# Altium PCB SpeakerEngine.PcbDoc (part 1 of 2)
Units mil, origin at the board's own origin, x right, y up, seen from the top; angles counter-clockwise.
Board outline 2955 x 2955 mil, 2 copper layers (Top Layer, Bottom Layer); 97 components, 71 nets, 369 pads, 247 vias.
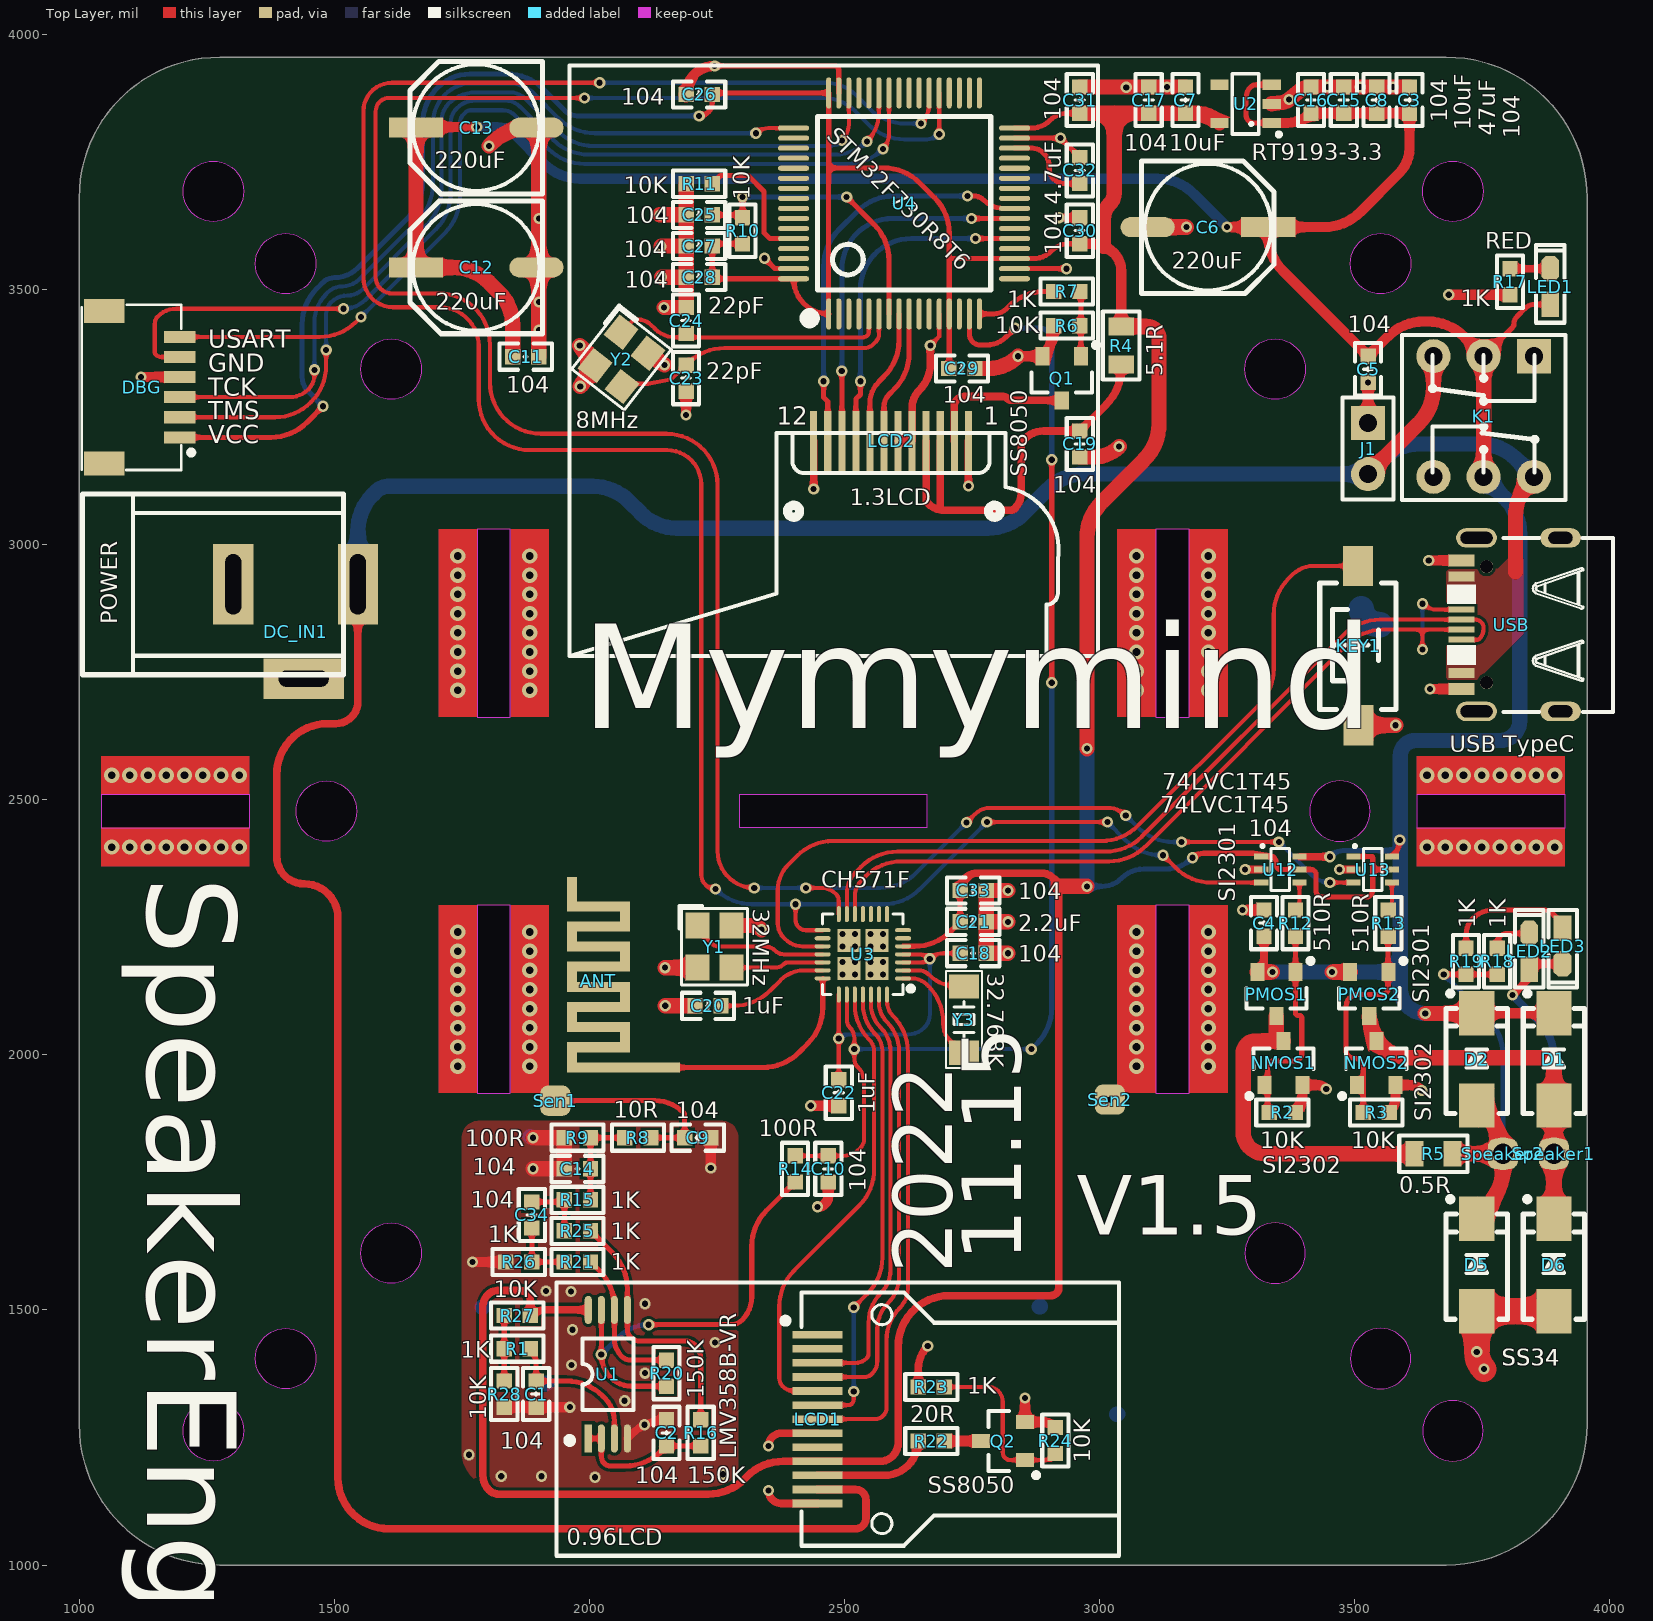
[diagram p0: Top Layer view]
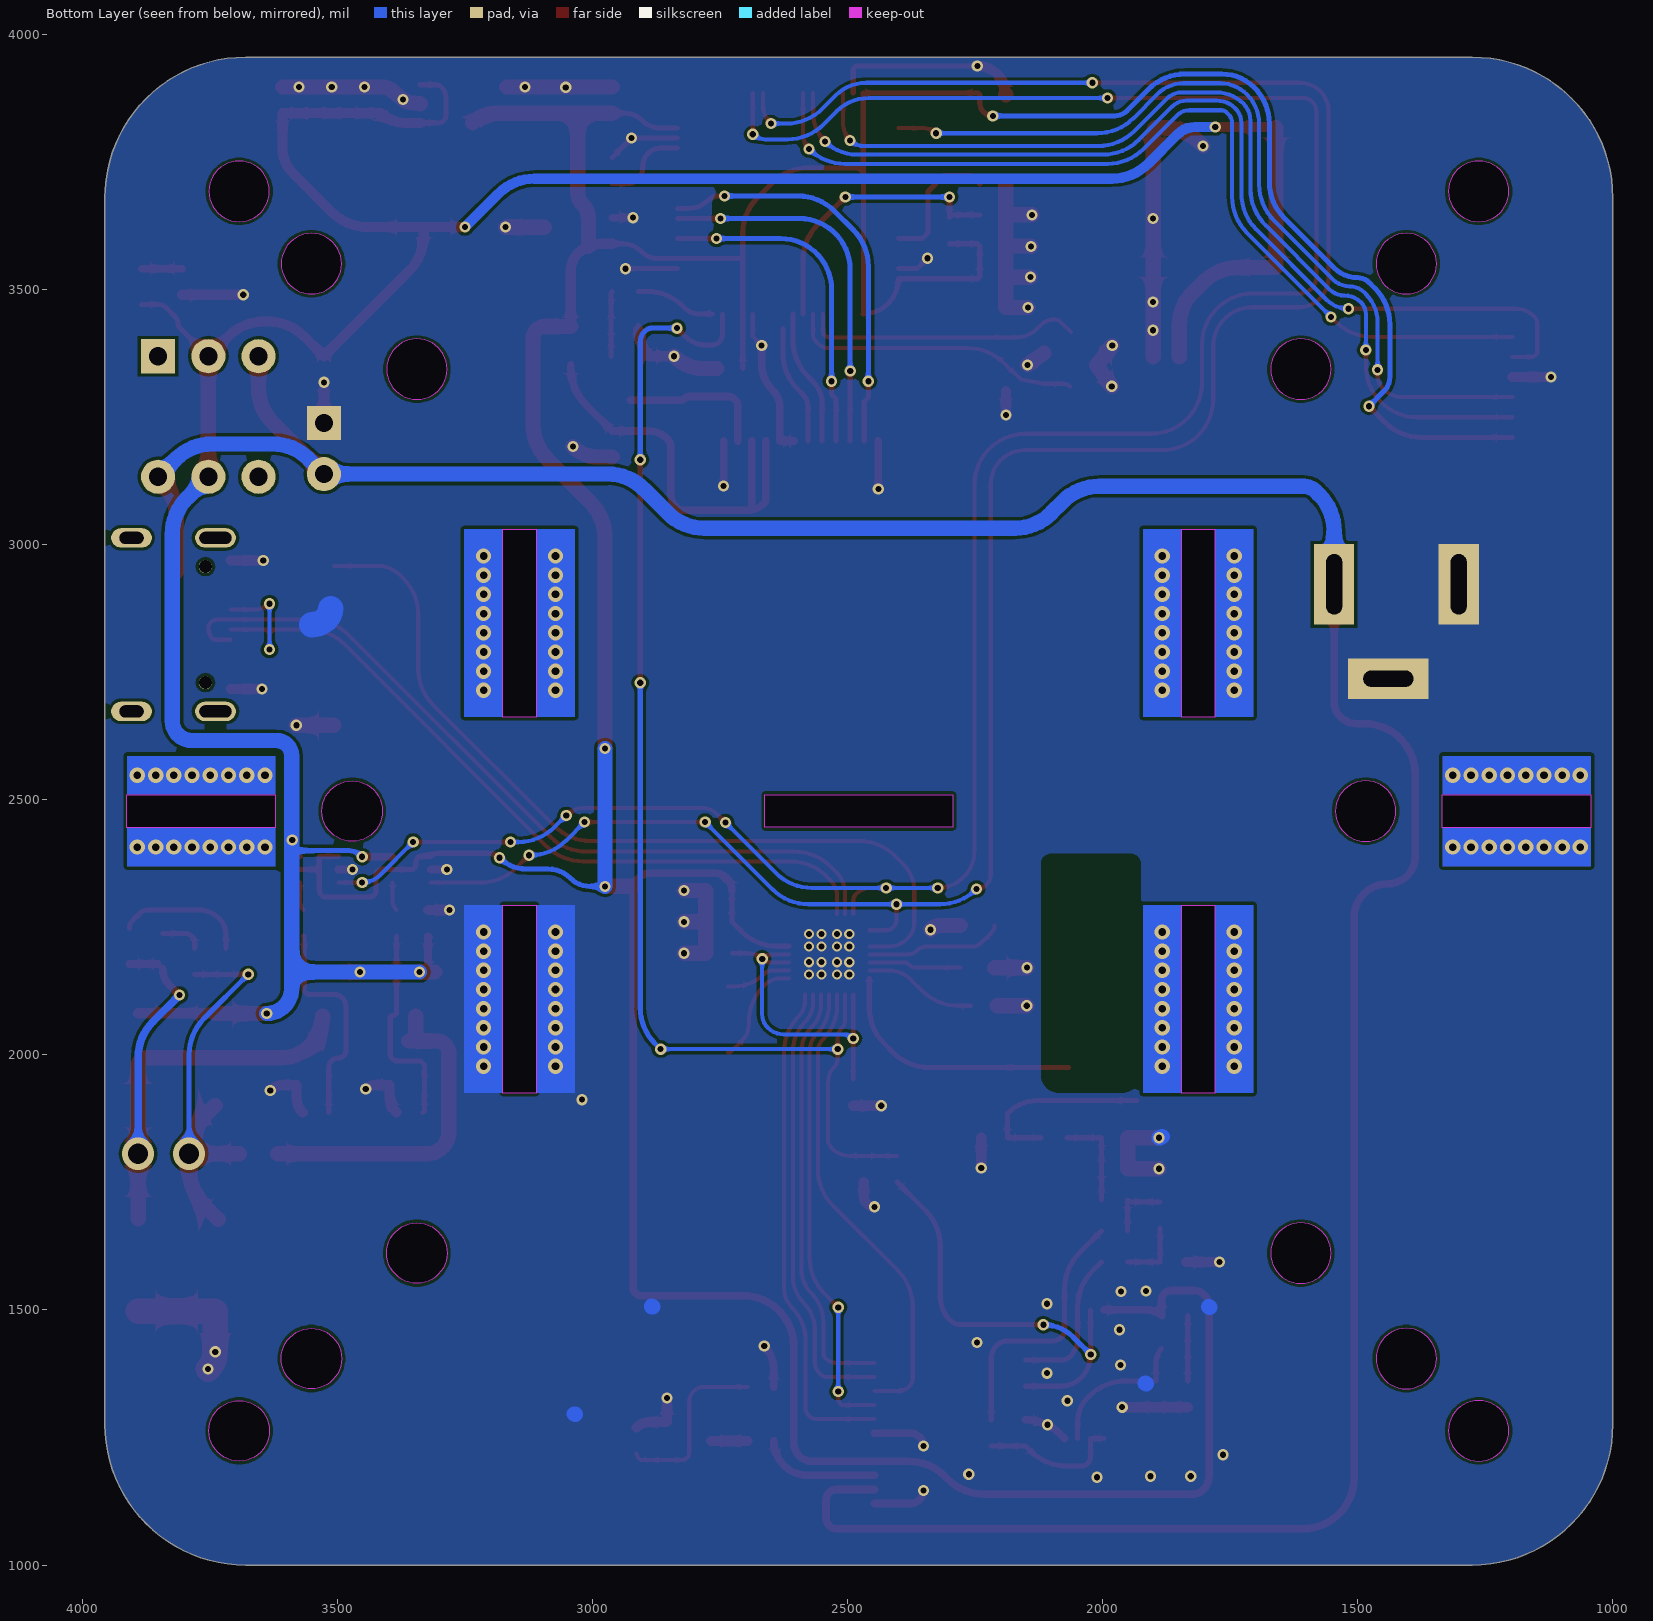
[diagram p1: Bottom Layer view, seen from below]

## Layer stack, top to bottom
Top Solder: solder mask 0.4, Solder Resist, Dk 3.5
Top Layer: signal copper 1.4
Dielectric 1: dielectric 12.6, FR-4, Dk 4.8
Bottom Layer: signal copper 1.4
Bottom Solder: solder mask 0.4, Solder Resist, Dk 3.5

## Board outline
1275.59,1000 cw(c1275.59,1275.59) 1000,1275.59 1000,3679.41 cw(c1275.59,3679.41) 1275.59,3955 3679.41,3955 cw(c3679.41,3679.41) 3955,3679.41 3955,1275.59 cw(c3679.41,1275.59) 3679.41,1000
cut-out: 1404.67,3491.08 cw(c1404.67,3550.33) 1345.41,3550.33 cw(c1404.67,3550.33) 1404.67,3609.59 cw(c1404.67,3550.33) 1463.92,3550.33 cw(c1404.67,3550.33)
cut-out: 3550.33,3491.08 cw(c3550.33,3550.33) 3491.08,3550.33 cw(c3550.33,3550.33) 3550.33,3609.59 cw(c3550.33,3550.33) 3609.59,3550.33 cw(c3550.33,3550.33)
cut-out: 3491.08,1404.67 ccw(c3550.33,1404.67) 3550.33,1345.41 ccw(c3550.33,1404.67) 3609.59,1404.67 ccw(c3550.33,1404.67) 3550.33,1463.92 ccw(c3550.33,1404.67)
cut-out: 1404.67,1345.41 cw(c1404.67,1404.67) 1345.41,1404.67 cw(c1404.67,1404.67) 1404.67,1463.92 cw(c1404.67,1404.67) 1463.92,1404.67 cw(c1404.67,1404.67)
cut-out: 1262.93,1203.68 cw(c1262.93,1262.93) 1203.68,1262.93 cw(c1262.93,1262.93) 1262.93,1322.19 cw(c1262.93,1262.93) 1322.19,1262.93 cw(c1262.93,1262.93)
cut-out: 1611.36,1552.11 cw(c1611.36,1611.36) 1552.11,1611.36 cw(c1611.36,1611.36) 1611.36,1670.61 cw(c1611.36,1611.36) 1670.61,1611.36 cw(c1611.36,1611.36)
cut-out: 3632.81,1262.93 ccw(c3692.07,1262.93) 3692.07,1203.68 ccw(c3692.07,1262.93) 3751.32,1262.93 ccw(c3692.07,1262.93) 3692.07,1322.19 ccw(c3692.07,1262.93)
cut-out: 3284.39,1611.36 ccw(c3343.64,1611.36) 3343.64,1552.11 ccw(c3343.64,1611.36) 3402.89,1611.36 ccw(c3343.64,1611.36) 3343.64,1670.61 ccw(c3343.64,1611.36)
cut-out: 3411.36,2477.5 ccw(c3470.61,2477.5) 3470.61,2418.25 ccw(c3470.61,2477.5) 3529.86,2477.5 ccw(c3470.61,2477.5) 3470.61,2536.75 ccw(c3470.61,2477.5)
cut-out: 1484.39,2418.25 cw(c1484.39,2477.5) 1425.14,2477.5 cw(c1484.39,2477.5) 1484.39,2536.75 cw(c1484.39,2477.5) 1543.64,2477.5 cw(c1484.39,2477.5)
cut-out: 3343.64,3284.39 cw(c3343.64,3343.64) 3284.39,3343.64 cw(c3343.64,3343.64) 3343.64,3402.89 cw(c3343.64,3343.64) 3402.89,3343.64 cw(c3343.64,3343.64)
cut-out: 3692.07,3632.81 cw(c3692.07,3692.07) 3632.81,3692.07 cw(c3692.07,3692.07) 3692.07,3751.32 cw(c3692.07,3692.07) 3751.32,3692.07 cw(c3692.07,3692.07)
cut-out: 1611.36,3284.39 cw(c1611.36,3343.64) 1552.11,3343.64 cw(c1611.36,3343.64) 1611.36,3402.89 cw(c1611.36,3343.64) 1670.61,3343.64 cw(c1611.36,3343.64)
cut-out: 1262.93,3632.81 cw(c1262.93,3692.07) 1203.68,3692.07 cw(c1262.93,3692.07) 1262.93,3751.32 cw(c1262.93,3692.07) 1322.19,3692.07 cw(c1262.93,3692.07)
cut-out: 2293.33,2445.5 2661.67,2445.5 2661.67,2509.5 2293.33,2509.5
cut-out: 1043,2445 1334,2445 1334,2510 1043,2510
cut-out: 3621,2445 3912,2445 3912,2510 3621,2510
cut-out: 1780,1925 1845,1925 1845,2293.33 1780,2293.33
cut-out: 3110,1925 3175,1925 3175,2293.33 3110,2293.33
cut-out: 3110,2661.67 3175,2661.67 3175,3030 3110,3030
cut-out: 1780,2661.67 1845,2661.67 1845,3030 1780,3030

## Design rules (kind name [scope] priority, off if disabled: settings)
Clearance [All] p1: gap=6 ignorepadtopadclearanceinfootprint=FALSE
HoleSize [All] p1: absolutevalues=TRUE maxlimit=500 minlimit=1 maxpercent=80.000 minpercent=20.000
MinimumSolderMaskSliver [All] p1: minsoldermaskwidth=1
PlaneConnect [All] p1: planeconnectstyle=Direct reliefexpansion=20 reliefentries=4 reliefconductorwidth=10 reliefairgap=10
PolygonConnect [All] p1: connectstyle=Direct reliefconductorwidth=10 reliefentries=4 polygonreliefangle="90 Angle" airgapwidth=10
RoutingVias [All] p1: holewidth=12 width=22 viastyle="Through Hole" minholewidth=12 minwidth=22 maxholewidth=200 maxwidth=500
SilkToSilkClearance [All] p1: silktosilkclearance=1
SilkToSolderMaskClearance [IsPad] p1: minsilkscreentomaskgap=1 clearancetoexposedcopper=TRUE
SolderMaskExpansion [All] p1: expansion=4 istentingtop=FALSE
Width [All] p1: maxlimit=200 minlimit=6 preferedwidth=10 minimp=50.000000 maximp=50.000000 favimp=50.000000
25 further rules are at their usual default settings.

## Classes and differential pairs
component class MainMCU: C19 C23 C24 C25 C26 C27 C28 C29 C30 C31 C32 DBG LCD2 Q1 R4 R6 R7 R10 R11 U4 Y2
component class SpeakerEngine: ANT C1 C2 C3 C4 C5 C6 C7 C8 C9 C10 C11 C12 C13 C14 C15 C16 C17 C18 C20 C21 C22 C33 C34 D1 D2 D5 D6 DC_IN1 J1 K1 KEY1 LCD1 LED1 LED2 LED3 NMOS1 NMOS2 PMOS1 PMOS2 Q2 R1 R2 R3 R5 R8 R9 R12 R13 R14 R15 R16 R17 R18 R19 R20 R21 R22 R23 R24 R25 R26 R27 R28 Sen1 Sen2 Speaker1 Speaker2 U1 U2 U3 U12 U13 USB Y1 Y3

## Components (designator, comment, footprint, x,y, rotation, side; value= is the part's Value field where it differs from the comment)
ANT "2.4G" 2.4GANTS8 2177,1974 r0 top
C1 "104" "C 0603_L" 1895.59,1335 r90 top
C2 "104" "C 0603_L" 2151,1258.99 r270 top
C3 "104" "C 0603_L" 3607,3870.99 r270 top
C4 "104" "C 0603_L" 3322,2258 r270 top
C5 "104" "C 0603_L" 3526,3343.41 r90 top
C6 "220uF" "CM D(6.3*5.4)" 3212,3622 r0 top
C7 "10uF" "C 0603_L" 3168,3871 r90 top
C8 "47uF" "C 0603_L" 3542.66,3871 r90 top
C9 "104" "C 0603_L" 2212.17,1837.41 r180 top
C10 "104" "C 0603_L" 2468,1776.41 r90 top
C11 "104" "C 0603_L" 1875,3368 r180 top
C12 "220uF" "CM D(6.3*5.4)" 1778,3543 r180 top
C13 "220uF" "CM D(6.3*5.4)" 1778,3817 r180 top
C14 "104" "C 0603_L" 1976.42,1776.56 r0 top
C15 "10uF" "C 0603_L" 3478.33,3871 r90 top
C16 "104" "C 0603_L" 3414,3871 r90 top
C17 "104" "C 0603_L" 3096,3871 r90 top
C18 "104" "C 0603_L" 2752,2199 r0 top
C19 "104" "C 0603_L" 2961,3197 r270 top
C20 "1uF" "C 0603_L" 2232.24,2096 r180 top
C21 "2.2uF" "C 0603_L" 2752,2260.5 r0 top
C22 "1uF" "C 0603_L" 2488.59,1925.59 r270 top
C23 "22pF" "C 0603_L" 2189.41,3326 r270 top
C24 "22pF" "C 0603_L" 2189.4,3439 r90 top
C25 "104" "C 0603_L" 2215,3646 r0 top
C26 "104" "C 0603_L" 2214.99,3882 r180 top
C27 "104" "C 0603_L" 2214.99,3585 r180 top
C28 "104" "C 0603_L" 2214.99,3524 r180 top
C29 "104" "C 0603_L" 2730,3345 r0 top
C30 "104" "C 0603_L" 2961,3615 r90 top
C31 "104" "C 0603_L" 2961,3871 r90 top
C32 "4.7uF" "C 0603_L" 2961.01,3733 r270 top
C33 "104" "C 0603_L" 2752,2322 r0 top
C34 "104" "C 0603_L" 1887,1686 r90 top
D1 "SS34" SMA 3890,1991 r90 top
D2 "SS34" SMA 3739,1991 r90 top
D5 "SS34" SMA 3739,1588 r90 top
D6 "SS34" SMA 3890,1588 r90 top
DBG "STM_SWD" "SH1.0 S-W-6P" 1116,3308 r270 top
DC_IN1 "POWER" DC-005 1302,2922 r180 top
J1 "Header 1X2" HDR2.54-LI-2P 3526,3188 r270 top
K1 "KET 7X7" "KFT DIP-8X8" 3752.43,3250.89 r180 top
KEY1 "KEY-SMD" "TSW SMD-3*6*2.5" 3506,2803 r90 top
LCD1 "0.96LCD" "LCD 0.96 13P" 2447,1285.88 r0 top locked
LCD2 "1.3LCD" TFT-N133-2424THBIG01 1961.06,2781.74 r0 top locked
LED1 "RED" "LED 0603B" 3883.28,3505.59 r90 top
LED2 "RED" "LED 0603B" 3842,2202.99 r90 top
LED3 "RED" "LED 0603B" 3907,2213 r270 top
NMOS1 "SI2302" SOT23-3L 3360,1984 r0 top
NMOS2 "SI2302" SOT23-3L 3542,1984 r0 top
PMOS1 "SI2301" SOT23-3L 3346.23,2119 r180 top
PMOS2 "SI2301" SOT23-3L 3528.23,2119 r180 top
Q1 "SS8050" SOT23-3L 2925.6,3325.69 r180 top
Q2 "SS8050" SOT23-3L 2810.31,1243 r90 top
R1 "1K" "R 0603_L" 1858.58,1424 r180 top
R2 "10K" "R 0603_L" 3358,1887 r0 top
R3 "10K" "R 0603_L" 3542,1887 r0 top
R4 "5.1R" "R 0805_L" 3042,3390 r270 top
R5 "0.5R" "R 0805_L" 3654,1806 r180 top
R6 "10K" "R 0603_L" 2935.41,3429 r180 top
R7 "1K" "R 0603_L" 2935.42,3496 r0 top
R8 "10R" "R 0603_L" 2095,1837.42 r0 top
R9 "100R" "R 0603_L" 1976.41,1837.41 r180 top
R10 "10K" "R 0603_L" 2300,3615 r270 top
R11 "10K" "R 0603_L" 2215,3707 r0 top
R12 "510R" "R 0603_L" 3383.63,2258 r270 top
R13 "510R" "R 0603_L" 3565.63,2258 r270 top
R14 "100R" "R 0603_L" 2403,1776.41 r270 top
R15 "1K" "R 0603_L" 1976.41,1715.7 r180 top
R16 "150K" "R 0603_L" 2218,1259 r90 top
R17 "1K" "R 0603_L" 3804,3515 r270 top
R18 "1K" "R 0603_L" 3779,2183.18 r90 top
R19 "1K" "R 0603_L" 3718,2183.18 r90 top
R20 "150K" "R 0603_L" 2151,1376 r270 top
R21 "1K" "R 0603_L" 1976.42,1594 r0 top
R22 "20R" "R 0603_L" 2670,1243 r180 top
R23 "1K" "R 0603_L" 2670.01,1349 r0 top
R24 "10K" "R 0603_L" 2913,1244 r90 top
R25 "1K" "R 0603_L" 1976.42,1654.85 r0 top
R26 "1K" "R 0603_L" 1861.42,1594 r0 top
R27 "10K" "R 0603_L" 1858.58,1489 r180 top
R28 "10K" "R 0603_L" 1833,1334.99 r270 top
Sen1 "SPK+" TP-1.5#1 1933,1910 r0 top
Sen2 "SPK+" TP-1.5#1 3020,1912 r0 top
Speaker1 "SPK+" TP-1.5#2 3859,1806 r90 top
Speaker2 "SPK+" TP-1.5#3 3720,1806 r90 top
U1 "LMV358B-VR" SSOP8_N 2036,1374 r90 top
U2 "RT9193-3.3" SOT23-5L 3286,3863.62 r90 top
U3 "CH571F" QFN28_4X4 2535.83,2196.83 r90 top
U4 "STM32F730R8T6" "LQFP64 10x10_L" 2616.52,3668.48 r0 top
U12 "74LVC1T45" SOT363-6L 3354,2363 r0 top
U13 "74LVC1T45" SOT363-6L 3535,2363 r0 top
USB "USB TypeC" "USB Type-C" 3806.05,2842.92 r90 top
Y1 "32MHz" "OSC 3225-4P" 2245,2212 r270 top
Y2 "8MHz" "OSC 3225-4P" 2063,3363 r232 top
Y3 "32.768K" "OSC 3215-2P" 2734,2069 r270 top

## Footprints (in the part's own frame and the unit in brackets; to place one, negate y for a bottom-side part, rotate by r counter-clockwise, add the part's x,y. Pads: shape width x height; smd on the part's side, far side on the other; paste and mask are expansions set on the pad)
2.4GANTS8 [mm]
  rect 5.58x0.5 smd: 1(-2.788,0.028)
  rect 0.5x1.702 smd: 7(-5.369,8.647)
  rect 3.15x0.5 smd: 8(-4.043,8.046) 9(-4.05,7.045) 10(-4.05,6.046) 11(-4.05,5.048) 12(-4.05,4.041) 13(-4.05,3.041) 14(-4.048,2.038) 15(-4.05,1.036)
  rect 0.5x1.5 smd: 16(-2.725,1.535) 17(-2.725,3.541) 18(-2.725,5.548) 19(-2.72,7.545) 20(-5.375,6.546) 21(-5.375,4.546) 22(-5.373,2.541) 23(-5.375,0.528)
"C 0603_L" [mil] "无极性贴片电容"
  rect 30x30 smd: 1(-25.59,0) 2(25.59,0)
  silkscreen extent -51,-26 51,26, body extent -31,-16 31,16, height 32
"CM D(6.3*5.4)" [mm] "贴片电解电容，直径6.3mm，高5.4mm"
  rect 2.7x1 smd: 1(3,0)
  oval 2.7x1 smd: 2(-3,0)
  silkscreen extent -3.3,-3.3 3.3,3.3, body extent -3.5,-3.3 3.5,3.3, height 5.4
DC-005 [mm] "5.5*2.1mm，DC30V,2.5A"
  rect 2x4 hole 0.8 slot 3 at 90 deg: 1(-6.2,0) 2(0,0)
  rect 4x2 hole 0.8 slot 2.5 at 0 deg: 3(-3.5,4.7)
  silkscreen extent -5.48,-4.5 7.5,4.5, body extent -6.55,-4.5 7.5,4.8, height 11.2
HDR2.54-LI-2P [mm] "排针，2脚"
  rect 1.7x1.7 hole 0.9: 1(-1.27,0)
  round 1.7 hole 0.9: 2(1.27,0)
  silkscreen extent -2.54,-1.27 2.54,1.27, body extent -2.54,-1.27 2.54,1.27, height 8.5
"KFT DIP-8X8" [mm] "自锁开关，规格：8*8mm"
  rect 1.7x1.7 hole 0.9: 1(-2.5,-3)
  round 1.7 hole 0.9: 2(0,-3) 3(2.5,-3) 4(2.5,3) 5(0,3) 6(-2.5,3)
  silkscreen extent -4.06,-4.06 4.06,4.15, body extent -3.95,-3.95 4.05,4.05, height 13.1
"LCD 0.96 13P" [mm]
  rect 2.5x0.38 smd: 1(0,4.2) 2(0,3.5) 3(0,2.8) 4(0,2.1) 5(0,1.4) 6(0,0.7) 7(0,0) 8(0,-0.7) 9(0,-1.4) 10(0,-2.1) 11(0,-2.8) 12(0,-3.5) 13(0,-4.2)
  silkscreen extent -13,-6.8 15,6.8
"LED 0603B" [mil] "蓝色0603LED"
  rect 50x35 smd: 1(-35,0.26)
  oct 50x35 smd: 2(35,0.26)
  silkscreen extent -71,-28 81,28, body extent -31,-16 32,16, height 24
"LQFP64 10x10_L" [mm] "64脚，体宽10x10mm，脚距0.5mm"
  oval 0.25x1.55 smd: 1(-3.75,-5.5) 2(-3.25,-5.5) 3(-2.75,-5.5) 4(-2.25,-5.5) 5(-1.75,-5.5) 6(-1.25,-5.5) 7(-0.75,-5.5) 8(-0.25,-5.5) 9(0.25,-5.5) 10(0.75,-5.5) 11(1.25,-5.5) 12(1.75,-5.5) 13(2.25,-5.5) 14(2.75,-5.5) 15(3.25,-5.5) 16(3.75,-5.5) 33(3.75,5.5) 34(3.25,5.5) 35(2.75,5.5) 36(2.25,5.5) 37(1.75,5.5) 38(1.25,5.5) 39(0.75,5.5) 40(0.25,5.5) 41(-0.25,5.5) 42(-0.75,5.5) 43(-1.25,5.5) 44(-1.75,5.5) 45(-2.25,5.5) 46(-2.75,5.5) 47(-3.25,5.5) 48(-3.75,5.5)
  oval 1.55x0.25 smd: 17(5.5,-3.75) 18(5.5,-3.25) 19(5.5,-2.75) 20(5.5,-2.25) 21(5.5,-1.75) 22(5.5,-1.25) 23(5.5,-0.75) 24(5.5,-0.25) 25(5.5,0.25) 26(5.5,0.75) 27(5.5,1.25) 28(5.5,1.75) 29(5.5,2.25) 30(5.5,2.75) 31(5.5,3.25) 32(5.5,3.75) 49(-5.499,3.75) 50(-5.499,3.25) 51(-5.499,2.75) 52(-5.499,2.25) 53(-5.499,1.75) 54(-5.499,1.25) 55(-5.499,0.75) 56(-5.499,0.25) 57(-5.499,-0.25) 58(-5.499,-0.75) 59(-5.499,-1.25) 60(-5.499,-1.75) 61(-5.499,-2.25) 62(-5.499,-2.75) 63(-5.499,-3.25) 64(-5.499,-3.75)
  silkscreen extent -4.95,-5.96 4.32,4.32, body extent -6,-6 6,6, height 1.45
"OSC 3215-2P" [mm] "3.2*1.5*0.6mm(长宽高)"
  rect 1.2x1.5 smd: 1(-1.65,0) 2(1.65,0)
  silkscreen extent -2.41,-0.89 2.41,0.89, body extent -1.6,-0.75 1.6,0.75, height 0.61
"OSC 3225-4P" [mm] "3.2*2.5*0.7mm(长宽高)"
  rect 1.3x1.2 smd: 1(-1.05,-0.85) 2(1.05,-0.85) 3(1.05,0.85) 4(-1.05,0.85)
  silkscreen extent -2.03,-1.75 1.91,1.65, body extent -1.6,-1.25 1.6,1.25, height 0.7
QFN28_4X4 [mm]
  rect 1.143x1.143 smd mask+0.051: 0(-0.698,-0.699) 0(-0.698,0.699) 0(0.699,-0.699) 0(0.699,0.699)
  oval 0.2x0.8 smd: 1(-1.2,-2) 2(-0.8,-2) 3(-0.4,-2) 4(0,-2) 5(0.4,-2) 6(0.8,-2) 7(1.2,-2) 15(1.2,2) 16(0.8,2) 17(0.4,2) 18(0,2) 19(-0.4,2) 20(-0.8,2) 21(-1.2,2)
  oval 0.8x0.2 smd: 8(2,-1.2) 9(2,-0.8) 10(2,-0.4) 11(2,0) 12(2,0.4) 13(2,0.8) 14(2,1.2) 22(-2,1.2) 23(-2,0.8) 24(-2,0.4) 25(-2,0) 26(-2,-0.4) 27(-2,-0.8) 28(-2,-1.2)
  silkscreen extent -2,-2.51 2,2
"R 0603_L" [mil] "1/10W贴片电阻"
  rect 30x30 smd: 1(-25.59,0) 2(25.59,0)
  silkscreen extent -51,-26 51,26, body extent -31,-16 32,16, height 16
"R 0805_L" [mil] "1/8W贴片电阻"
  rect 35x50 smd: 1(-37.4,0) 2(37.4,0)
  silkscreen extent -67,-36 67,36, body extent -39,-25 39,25, height 20
"SH1.0 S-W-6P" [mm]
  rect 1.2x2 smd: 0(-3.8,-1.7) 0(3.8,-1.7)
  rect 0.6x1.55 smd: 1(2.489,2.057) 2(1.489,2.057) 3(0.489,2.057) 4(-0.511,2.057) 5(-1.511,2.057) 6(-2.511,2.057)
  silkscreen extent -4.11,-2.83 4.11,2.76, body extent -3.99,-2.48 4.01,2.47, height 2.9
SMA [mm] "4.5x2.6*2.2mm（长宽高，不包括引脚）"
  rect 2.2x1.75 smd: 1(-2.3,0) 2(2.3,0)
  silkscreen extent -2.7,-1.52 3.4,1.52, body extent -2.53,-1.3 2.58,1.3, height 2.15
SOT23-3L [mm] "3x1.3x1mm(长宽高)"
  rect 0.7x0.9 smd: 1(-0.95,-1.1) 2(0.95,-1.1) 3(0,1.1)
  silkscreen extent -1.82,-1.78 1.5,0.71, body extent -1.5,-1.19 1.5,1.21, height 1.05
SOT23-5L [mm] "3x1.6x1.1mm(长宽高)"
  rect 0.5x0.9 smd: 1(-0.95,-1.3) 2(0,-1.3) 3(0.95,-1.3) 4(0.95,1.3) 5(-0.95,1.3)
  silkscreen extent -1.6,-1.73 1.5,0.66, body extent -1.5,-1.4 1.5,1.4, height 1.15
SOT363-6L [mm]
  rect 0.7x0.3 smd: 1(-0.95,0.65) 2(-0.95,0) 3(-0.95,-0.65) 4(0.95,-0.65) 5(0.95,0) 6(0.95,0.65)
  silkscreen extent -0.96,-1.04 0.46,1.24, body extent -1.05,-1 1.05,1, height 1
SSOP8_N [mm] "3*6.4*1.2mm（长宽高）"
  rect 1.4x0.35 smd: 1(-3.2,0.975)
  oval 1.4x0.35 smd: 2(-3.2,0.325) 3(-3.2,-0.325) 4(-3.2,-0.975) 5(3.2,-0.975) 6(3.2,-0.325) 7(3.2,0.325) 8(3.2,0.975)
  silkscreen extent -3.43,-1.27 1.78,2.03, body extent -3.2,-1.75 3.2,1.75, height 1.25
TFT-N133-2424THBIG01 [mm] "TFT LCD 240*240"
  rect 0.35x3 smd: 1(19.85,10.7) 2(19.15,10.7) 3(18.45,10.7) 4(17.75,10.7) 5(17.05,10.7) 6(16.35,10.7) 7(15.65,10.7) 8(14.95,10.7) 9(14.25,10.7) 10(13.55,10.7) 11(12.85,10.7) 12(12.15,10.7)
  silkscreen extent 0,0 26.3,29.4, body extent -0.02,0 26.33,29.37, height 2.1
TP-1.5#1 [mm]
  rrect50% 1.5x1.5 smd: 1(0,0)
TP-1.5#2 [mm]
  rrect50% 1.5x1.5 smd: 1(0,-0.787)
TP-1.5#3 [mm]
  rrect50% 1.5x1.5 smd: 1(0,-1.778)
"TSW SMD-3*6*2.5" [mm] "3*6*2.5mm"
  rect 2x1.5 smd: 1(-3.996,-0.02) 2(3.937,0)
  silkscreen extent -3.21,-1.9 3.09,1.9, body extent -4,-1.88 4,1.62, height 2.59
"USB Type-C" [mm] "USB Type-C 12P/16P"
  rect 0.6x1.3 smd mask+0.064: 1(-3.2,2.462) 12(3.2,2.462)
  rect 0.508x1.3 smd mask+0.064: 2(-2.4,2.462) 11(2.4,2.462)
  rect 0.3x1.3 smd mask+0.064: 5(-0.75,2.462) 6(-0.25,2.463) 7(0.25,2.463) 8(0.75,2.462)
  oval 0.965x2.032 hole 0.6 slot 1.6 at 90 deg: SH1(-4.32,1.718) SH3(4.32,1.717)
  oval 0.965x2.032 hole 0.6 slot 1.2 at 90 deg: SH2(-4.32,-2.462) SH4(4.32,-2.462)
  round 0.65 hole 0.65 unplated mask+0: ""(-2.89,1.218) ""(2.89,1.218)
  silkscreen extent -4.34,-5.07 4.32,3.17, body extent -4.47,-5.04 4.47,2.86, height 3.2

## Part data
ANT: library part ANT, "2.4G天线"
C1 C2 C3 C4 C5 C9 C10 C11 C14 C25 C26 C27 C28 C29 C30 C31 C34: library part C
C6 C12 C13: library part C-CAP, "有极性电容", BOM名称=有极性电容, 学习资源=www.openedv.com, 版权归属=正点原子
C7 C8 C15 C16 C17 C18 C20 C21 C22 C32: library part C, "无极性贴片电容", BOM名称=无极性贴片电容
  C7 C8 C15 C16 C17: 学习资源=www.openedv.com, 版权归属=正点原子
  C32: 学习资源=www.ooocke.com, 版权归属=源创客
C19 C33: library part C, "无极性电容", BOM名称=无极性贴片电容, 学习资源=www.openedv.com, 版权归属=正点原子
C23 C24: library part CAP
D1 D2 D5 D6: library part DIODE, "整流二极管"
DBG: library part HEAD6
DC_IN1: library part P-DC, "低压电源接口", BOM名称=DC电源接口, 学习资源=www.ooocke.com, 版权归属=源创客
J1: library part "Header 2", "2P接插件", BOM名称=2P接插件, Parameter=接插件, 学习资源=www.openedv.com, 版权归属=正点原子
K1: "7*7自锁开关", BOM名称=7*7自锁开关, Parameter=按键/开关, 学习资源=www.openedv.com, 版权归属=正点原子
KEY1: library part S-KEY-SMD-324225, "KEY,SMD,324225"
LCD1: library part "LCD 0.96", "0.96 LCD 80*160", BOM名称="12864 点阵屏", Parameter=显示器件, 学习资源=www.openedv.com, 版权归属=正点原子
LCD2: library part TFTLCD-N133-2424THBIG01, "TFTLCD,240*240,SPI"
LED1 LED2 LED3: library part LED, "发光二极管"
NMOS1 NMOS2: library part NMOS, "SOT-23"
PMOS1 PMOS2: library part PMOS, "SOT-23"
Q1 Q2: library part 8050-SMD, "高频放大-NPN型", BOM名称=高频放大-NPN型, Parameter=三极管, 学习资源=www.openedv.com, 属性="40V 1.5A 1W 100MHZ", 版权归属=正点原子
R1 R2 R3 R5 R8 R9 R10 R12 R13 R14 R15 R16 R17 R18 R19 R20 R21 R25 R26 R27 R28: library part R
R4 R6 R7 R11 R22 R23 R24: library part R, "贴片电阻"
  R11: BOM名称=贴片电阻, 学习资源=www.ooocke.com, 版权归属=源创客
Sen1 Sen2 Speaker1 Speaker2: library part TEST-POINT, "测试点"
U1: library part LMV358, "低压轨至轨双运放,5.5V 1MHz 4mV", BOM名称=双路运放, Parameter=芯片, 学习资源=www.openedv.com, 版权归属=正点原子
U2: library part "LDO RT9193", "LDO", BOM名称=稳压芯片, 学习资源=www.openedv.com, 版权归属=正点原子
U3: "RISC-V MCU with BLE/USB/ADC/SPI/2*UART"
U4: "STM32 M7内核"
U12 U13: "1路双向电平转换"
USB: library part "USB 2.0 Type C", "12P TypeC 母座", Parameter=接口器件, 学习资源=www.openedv.com, 版权归属=正点原子
Y1 Y2: library part Y-3225-4P, "晶振25MHz", LatestRevisionDate=17-Jul-2002, LatestRevisionNote="Re-released for DXP Platform.", Published=8-Jun-2000, Publisher="Altium Limited"
Y3: library part Y-3215-2P, "晶振32.768K", LatestRevisionDate=17-Jul-2002, LatestRevisionNote="Re-released for DXP Platform.", Published=8-Jun-2000, Publisher="Altium Limited"

## Via types
v1: diameter 22, hole 12, Top Layer to Bottom Layer, 133 vias
v2: diameter 30, hole 15, Top Layer to Bottom Layer, 96 vias
v3: diameter 20, hole 12, Top Layer to Bottom Layer, 16 vias
v4: diameter 62.99, hole 39.37, Top Layer to Bottom Layer, 2 vias

## Nets (pads, with @x,y where several pads share a name; then routed paths per layer and width w, separated by ;. In a path a pad name is that pad's centre, name@x,y a point inside that pad or via, vN(x,y) a via of type N, cw(c..) or ccw(c..) an arc to the next point about the centre after c; other vN are vias at no path point)
ANT: ANT.1 U3.21 | length 511.2
  Top Layer w10: ANT.1@2067.25,1975.11 2339.68,1975.11 ccw(c2339.68,2075.11) 2410.4,2004.4 2427.8,2021.8 ccw(c2357.09,2092.52) 2457.09,2092.52 U3.21@2457.09,2149.59
GND: C1.1 C2.1 C3.1 C4.1 C5.1 C6.2 C7.2 C8.2 C9.1 C10.1 C11.1 C12.2 C13.2 C14.1 C15.2 C16.2 C17.2 C18.2 C19.2 C20.2 C21.2 C22.2 C23.2 C24.2 C25.1 C26.2 C27.2 C28.2 C29.2 C30.2 C31.2 C32.1 C33.2 D5.1 D6.1 DBG.4 DC_IN1.2 DC_IN1.3 J1.1 KEY1.1 LCD1.8 LCD1.13 LCD2.1 LCD2.5 LCD2.6 LCD2.12 NMOS1.2 NMOS2.2 Q1.2 Q2.2 R2.2 R3.2 R6.2 R9.2 R11.1 R17.2 R24.2 R26.1 R28.2 Sen2.1 U1.4 U2.2 U3.0 U4.12 U4.18 U4.31 U4.47 U4.63 U12.2 U13.2 USB.1 USB.12 Y1.2 Y1.4 Y2.2 Y2.4 | length 5769.1
  Top Layer w8: U4.63@2399.66,3540.88 U4.63@2400.01,3540.53 ; v1(2668,3390) 2685.43,3407.43 U4.12@2685.43,3451.96
  Top Layer w10: v1(2245.4,3938) 2480,3938 cw(c2480,3929.43) 2488.57,3929.43 U4.47@2488.57,3885 ; v1(2343,3561) 2363.12,3540.88 U4.63@2399.66,3540.88 ; U4.18@2833.05,3540.53 v1(2934.73,3540.53) ; U4.31@2833.05,3796.43 v1(2923.16,3796.43) C32.1@2961,3758.59 ; R6.2@2909.82,3421.21 R6.2@2909.82,3429
  Top Layer w15: U1.4@2074.39,1248.02 2082.65,1256.28 cw(c2151,1187.92) C2.1@2151,1284.59 ; v1(2351,1146) ccw(c2376.47,1146) 2376.47,1120.53 LCD1.13@2447,1120.53 ; v1(2351,1233) cw(c2376.32,1233) 2376.32,1258.32 LCD1.8@2447,1258.32 ; v1(2439.41,3109) LCD2.12@2439.41,3203 ; LCD2.6@2604.76,3203 LCD2.5@2632.32,3203 2632.32,3267.57 cw(c2682.43,3267.57) 2647,3303 ccw(c2596.3,3353.7) 2668,3353.7 v1(2668,3390) ; v1(2742.56,3114.89) LCD2.1@2742.56,3203 ; v1(2920,3640.59) C30.2@2961,3640.59 ; v1(3285,2363) U12.2@3316.6,2363 ; v1(3470,2363) U13.2@3497.6,2363
  Top Layer w20: v1(1121.11,3328.11) DBG.4@1197,3328.11 ; v1(1771,1594) R26.1@1835.82,1594 ; R28.2@1833,1309.41 C1.1@1895.59,1309.41 v1(1961.57,1309.41) ; v1(2189,3254) ccw(c2188.02,3254.98) 2189.41,3254.98 C23.2@2189.41,3300.41 ; C26.2@2189.41,3882 cw(c2245.4,3882) v1(2245.4,3938) ; v1(2237.77,1777.86) C9.1@2237.77,1837.41 ; v1(2433.66,1900) C22.2@2488.59,1900 ; v1(2447,1702) ccw(c2447,1723) 2468,1723 C10.1@2468,1750.82 ; v1(2840,3369) Q1.2@2888.2,3369 ccw(c2835.99,3421.21) R6.2@2909.82,3421.21 ; v1(2853.61,1327.52) Q2.2@2853.61,1280.4 2886.9,1280.4 cw(c2886.9,1243.48) R24.2@2913,1269.59 ; v1(3280,2283.59) C4.1@3322,2283.59 ; R2.2@3383.59,1887 ccw(c3350.24,1920.35) 3397.4,1920.35 NMOS1.2@3397.4,1940.69 3425.43,1940.69 cw(c3425.43,1914.43) v1(3444,1933) ; J1.1@3526,3238 v1(3526,3317.82) ; R3.2@3567.59,1887 ccw(c3539.07,1915.52) 3579.4,1915.52 NMOS2.2@3579.4,1940.69 3605.19,1940.69 cw(c3605.19,1904.19) v1(3631,1930) ; v1(3644.91,2968.91) USB.12@3709.1,2968.91 ; v1(3647.48,2716.94) USB.1@3709.1,2716.94 ; v1(3684,3489.41) R17.2@3804,3489.41
  Top Layer w30: v1(1803,3781) 1809.71,3787.71 cw(c1880.42,3717) 1880.42,3817 C13.2@1896.11,3817 cw(c1885.29,3806.18) 1900.59,3806.18 C11.1@1900.59,3368 ; v1(1889.25,1776.71) 1950.82,1776.71 R9.2@1950.82,1837.41 v1(1889.25,1837.41) ; v1(1981,3390) Y2.2@2011.18,3351.03 v1(1982,3310) ; Y2.4@2114.82,3374.97 v1(2147,3352) ; v1(2138,3646) C25.1@2189.41,3646 ; v1(2140,3584) cw(c2142.42,3581.58) 2142.42,3585 C27.2@2189.41,3585 ; v1(2141,3524) C28.2@2189.41,3524 ; v1(2146,3464.59) C24.2@2189.41,3464.59 C27.2@2189.41,3585 ; v1(2148.01,2170.66) Y1.2@2211.54,2170.66 ; v1(2148.41,2096) C20.2@2206.65,2096 ; C26.2@2189,3881.6 C26.2@2189.41,3882 ; R11.1@2189.41,3707 C25.1@2189.41,3646 ; Y1.4@2278.46,2253.34 2316.87,2253.34 cw(c2316.87,2224.87) v1(2337,2245) ; C29.2@2755.59,3345 2782.05,3345 ccw(c2782.05,3426.95) v1(2840,3369) ; v1(2820,2199) C18.2@2777.59,2199 C21.2@2777.59,2260.5 ; v1(2820,2260.5) C21.2@2777.59,2260.5 ; v1(2820,2322) C33.2@2777.59,2322 C21.2@2777.59,2260.5 ; C19.2@2961,3171.41 2988.3,3171.41 ccw(c2988.3,3241.7) v1(3038,3192) ; C31.2@2961,3896.59 C17.2@3096,3896.59 C7.2@3168,3896.59 ; C6.2@3093.89,3622 v1(3170,3622) ; U2.2@3337.18,3863.62 3358.17,3866.4 ccw(c3354.9,3891.18) v1(3370.78,3871.88) 3392.5,3889.75 cw(c3411.57,3866.59) 3411.57,3896.59 C16.2@3414,3896.59 C15.2@3478.34,3896.59 C8.2@3542.67,3896.59 C3.1@3607,3896.59 ; KEY1.1@3506.79,2645.69 v1(3580,2645.69) ; C27.2@2189.41,3585 C25.1@2189.41,3646
  Top Layer w50: v1(3753,1384) cw(c3786.8,1417.8) v1(3739,1417.8) D5.1@3739,1497.45 D6.1@3890,1497.45
  Bottom Layer w30: 1790,1505 cw(c1792.41,1502.59) 1792.41,1506 ; v1@1883,1840 ccw(c1889.25,1846.25) v1(1889.25,1837.41) ; 1914,1355 cw(c1916.41,1352.59) 1916.41,1356 ; 2881.59,1506 ccw(c2881.59,1509.41) 2884,1507 ; 3033,1295 cw(c3035.41,1292.59) 3035.41,1296
  Bottom Layer w50: 3512.95,2874.43 ccw(c3540.43,2874.43) 3521,2855 ccw(c3549.97,2883.97) 3549.97,2843
  other v1: 2011,1172 1827,1174 1906,1174 2262,1178 1764,1216 2108,1275 2069,1322 2109,1376 1965,1392 2663,1429 2246,1436 1967,1461 2109,1512 1964,1536 1915,1537 3020,1912 1901,3420 1901,3475 1901,3639 3052,3896 3132,3896.59 3446.17,3896.59 3510.5,3896.59 3574.83,3896.59
  other v2: 3072,1977.59 3213,1977.59 3072,2015.18 3213,2015.18 3072,2052.78 3213,2052.78 3072,2090.37 3213,2090.37 3072,2127.96 3213,2127.96 3072,2165.55 3213,2165.55 3072,2203.15 3213,2203.15 3072,2240.74 3213,2240.74
  other v3: 2496.24,2157.13 2520.67,2157.13 2551,2157.13 2575.33,2157.13 2496.24,2181.47 2520.67,2181.47 2551,2181.47 2575.33,2181.47 2496.24,2212 2520.67,2212 2551,2212 2575.33,2212 2496.24,2236.43 2520.67,2236.43 2551,2236.43 2575.33,2236.43
JTCK: DBG.3 U4.49 | length 1674.3
  Top Layer w8: DBG.3@1197,3288.74 1412.16,3288.74 ccw(c1412.16,3340.84) 1449,3304 ccw(c1419.66,3333.34) 1461.15,3333.34 v1(1461.15,3342.31) ; v1(2326,3806) cw(c2350.43,3781.57) 2350.43,3816.12 U4.49@2400.01,3816.12
  Bottom Layer w8: v1(1461.15,3342.31) 1461,3342.46 1461,3435.47 cw(c1539.53,3435.47) 1484,3491 1486.98,3493.98 cw(c1516,3464.96) 1516,3506 ccw(c1516,3551.87) 1548.44,3519.44 1663.71,3634.71 ccw(c1593,3705.42) 1693,3705.42 1693,3824.06 cw(c1774.94,3824.06) 1717,3882 cw(c1770.11,3828.89) 1770.11,3904 1841,3904 cw(c1841,3831.57) 1892.21,3882.79 1939.71,3835.29 ccw(c2010.42,3906) 2010.42,3806 v1(2326,3806)
JTMS: DBG.2 U4.46 | length 1881
  Top Layer w8: DBG.2@1197,3249.37 1383.88,3249.37 ccw(c1383.88,3347.12) 1453,3278 1454.71,3279.71 ccw(c1384,3350.42) 1484,3350.42 v1(1484,3381) ; v1(2495,3792) ccw(c2462.99,3824.01) 2508.26,3824.01 U4.46@2508.26,3885
  Bottom Layer w8: v1(1484,3381) 1484,3452.27 cw(c1514.73,3452.27) 1493,3474 1493.57,3474.57 cw(c1526,3442.13) 1526,3488 ccw(c1526,3529.04) 1555.02,3500.02 1680.71,3625.71 ccw(c1610,3696.42) 1710,3696.42 1710,3830.2 cw(c1757.8,3830.2) 1724,3864 cw(c1777.11,3810.89) 1777.11,3886 1844,3886 cw(c1844,3842.54) 1874.73,3873.27 1937.71,3810.29 ccw(c2008.42,3881) 2008.42,3781 2468.44,3781 ccw(c2468.44,3818.56) v1(2495,3792)
LCD_BL: R23.1 | length 85
  Top Layer w15: R23.1@2644.41,1349 2644.41,1384.13 cw(c2707.87,1384.13) 2663,1429
LCD_CS: LCD1.7 U3.28 | length 979.9
  Top Layer w8: LCD1.7@2447,1285.88 2559.88,1285.88 ccw(c2559.88,1308) 2582,1308 2582,1439.82 cw(c2674.18,1439.82) 2609,1505 ccw(c2572.79,1541.21) 2624,1541.21 2624,2005.99 ccw(c2524.99,2005.99) 2595,2076 cw(c2623.78,2104.78) 2583.08,2104.78 U3.28@2583.08,2118.09
LCD_RES: LCD1.6 U3.25 | length 899.9
  Top Layer w8: LCD1.6@2447,1313.44 2507.82,1313.44 ccw(c2507.82,1322.18) 2514,1316 ccw(c2504.34,1325.66) 2518,1325.66 v1(2518,1340) ; v1(2518,1505) 2544.71,1531.71 ccw(c2474,1602.42) 2574,1602.42 2574,2007.2 ccw(c2526.2,2007.2) 2560,2041 cw(c2618.34,2099.34) 2535.83,2099.34 U3.25@2535.83,2118.09
  Bottom Layer w8: v1(2518,1340) v1(2518,1505)
LCD_RS: LCD1.5 U3.24 | length 918.9
  Top Layer w8: LCD1.5@2447,1341 2400.73,1341 cw(c2400.73,1371.73) 2379,1350 cw(c2395.9,1366.9) 2372,1366.9 2372,1506.58 cw(c2472,1506.58) 2401.29,1577.29 2528.71,1704.71 ccw(c2458,1775.42) 2558,1775.42 2558,2005.86 ccw(c2523.86,2005.86) 2548,2030 cw(c2615.39,2097.39) 2520.09,2097.39 U3.24@2520.09,2118.09
LCD_SCL: LCD1.4 U3.27 | length 876.6
  Top Layer w8: LCD1.4@2447,1368.56 2538.45,1368.56 ccw(c2538.45,1390.55) 2554,1375 ccw(c2529.86,1399.14) 2564,1399.14 2564,1462.3 cw(c2635.7,1462.3) 2585,1513 ccw(c2531.89,1566.11) 2607,1566.11 2607,2006.06 ccw(c2525.06,2006.06) 2583,2064 cw(c2620.83,2101.83) 2567.33,2101.83 U3.27@2567.33,2118.09
LCD_SDA: LCD1.3 U3.26 | length 834.3
  Top Layer w8: LCD1.3@2447,1396.12 2521.56,1396.12 ccw(c2521.56,1426.44) 2543,1405 ccw(c2533.34,1414.66) 2547,1414.66 2547,1475.06 cw(c2628.94,1475.06) 2571,1533 ccw(c2525.13,1578.87) 2590,1578.87 2590,2007.13 ccw(c2525.13,2007.13) 2571,2053 cw(c2617.88,2099.88) 2551.58,2099.88 U3.26@2551.58,2118.09
MOS_CTR1: U3.15 U4.38 U12.3 | length 4563.1
  Top Layer w8: v1(2020,3905) 1613,3905 ccw(c1613,3849) 1557,3849 1557,3523 ccw(c1615,3523) 1615,3465 1707,3465 cw(c1707,3389) 1783,3389 1783,3285 ccw(c1883,3285) 1883,3185 2152,3185 cw(c2152,3118) 2219,3118 2219,2353 ccw(c2247,2353) v1(2247,2325) ; v1(2404,2295) 2404,2264.49 ccw(c2424.49,2264.49) 2410,2250 ccw(c2424.3,2264.3) 2424.3,2244.08 U3.15@2457.09,2244.08 ; v1(2650,3825) ccw(c2612,3863) 2665.74,3863 U4.38@2665.74,3885 ; v1(2778.74,2456.04) v1(3015,2456) v1(3015,2456) ; v1(3124,2391) 3148.3,2366.7 ccw(c3219.01,2437.41) 3219.01,2337.41 U12.3@3316.6,2337.41
  Bottom Layer w8: v1(2020,3905) 2462.59,3905 cw(c2462.59,3819.5) 2523.04,3879.96 2548.71,3854.29 ccw(c2619.42,3925) 2619.42,3825 v1(2650,3825) ; v1(2247,2325) 2247.71,2324.29 ccw(c2318.42,2395) 2318.42,2295 v1(2404,2295) 2576.28,2295 ccw(c2576.28,2395) 2646.99,2324.29 v1(2778.74,2456.04) ; v1(3015,2456) 3050.71,2420.29 ccw(c3121.42,2491) 3121.42,2391 v1(3124,2391)
MOS_CTR2: U3.14 U4.37 U13.3 | length 4707.7
  Top Layer w8: v1(1990,3875) 1607,3875 ccw(c1607,3849) 1581,3849 1581,3524 ccw(c1613,3524) 1613,3492 1705,3492 cw(c1705,3392) 1805,3392 1805,3317 ccw(c1905,3317) 1905,3217 2151,3217 cw(c2151,3117) 2251,3117 2251,2399 ccw(c2323,2399) v1(2323,2327) ; v1(2424,2327) 2454.03,2327 cw(c2454.03,2286.03) 2483,2315 cw(c2469.5,2301.5) 2488.59,2301.5 U3.14@2488.59,2275.57 ; v1(2685.43,3804) U4.37@2685.43,3885 ; v1(2739,2455) 2755.98,2471.98 cw(c2785,2442.96) 2785,2484 3014.79,2484 cw(c3014.79,2432.79) v1(3051,2469) ; v1(3160,2417) v1(3351,2417) ; v1(3450.99,2337.41) U13.3@3497.6,2337.41
  Bottom Layer w8: v1(1990,3875) 2458.14,3875 cw(c2458.14,3786) 2521.07,3848.93 2546.71,3823.29 ccw(c2617.42,3894) 2617.42,3794 2661.28,3794 ccw(c2661.28,3828.14) v1(2685.43,3804) ; v1(2323,2327) v1(2424,2327) 2569.58,2327 ccw(c2569.58,2427) 2640.29,2356.29 v1(2739,2455) ; v1(3051,2469) 3073.71,2446.29 ccw(c3144.42,2517) 3144.42,2417 v1(3160,2417) ; v1(3351,2417) 3416.17,2351.83 ccw(c3450.99,2386.66) v1(3450.99,2337.41)
NetC1_2: C1.2 R1.1 U1.3 | length 294.5
  Top Layer w10: R1.1@1884.18,1424 cw(c1856.62,1396.44) 1895.59,1396.44 C1.2@1895.59,1360.59 1954.99,1360.59 cw(c1954.99,1260.59) 2025.7,1331.3 2030,1327 cw(c1984.62,1281.62) 2048.8,1281.62 U1.3@2048.8,1248.02
NetC9_2: C9.2 R8.2 Sen1.1 | length 373.4
  Top Layer w10: Sen1.1@1933,1910 2128.47,1910 cw(c2128.47,1831.47) 2184,1887 cw(c2177.75,1880.75) 2186.59,1880.75 C9.2@2186.59,1837.41 R8.2@2120.59,1837.41
  other v2: 1883,1977.59 1883,2015.18 1883,2052.78 1883,2090.37 1883,2127.96 1883,2165.55 1883,2203.15 1883,2240.74
NetC14_2: C14.2 R8.1 R9.1 R15.1 | length 189.1
  Top Layer w10: R15.1@2002,1715.7 C14.2@2002,1776.56 R9.1@2002,1837.41 R8.1@2069.41,1837.41
NetC19_1: C19.1 LCD2.3 LCD2.4 R4.2 | length 846.5
  Top Layer w15: LCD2.4@2659.88,3203 2659.88,3089.94 ccw(c2673.94,3089.94) 2664,3080 ccw(c2695.38,3111.38) 2686.58,3067.88 ; LCD2.3@2687.44,3203 2687.44,3069.95 cw(c2684.51,3069.95) 2686.58,3067.88 ; R4.2@3042,3352.6 3042,3345.02 cw(c2942,3345.02) 3012.71,3274.3 C19.1@2961,3222.59 2890.65,3222.59 ccw(c2890.65,3169.35) 2853,3207 ccw(c2869.9,3190.1) 2846,3190.1 2846,3099.97 cw(c2805.03,3099.97) 2834,3071 cw(c2824.34,3080.66) 2824.34,3067 2695.38,3067 cw(c2695.38,3111.38) 2686.58,3067.88
NetC32_2: C32.2 U4.30 | length 169.6
  Top Layer w10: U4.30@2833.05,3776.75 2867.81,3776.75 cw(c2867.81,3747.31) 2888.63,3768.13 ; 2888.63,3768.12 2896.17,3760.58 cw(c2855.55,3740.19) 2901,3740.19 2901,3737.44 ccw(c2931.03,3737.44) 2909.78,3716.23 ; 2909.79,3716.21 ccw(c2931.03,3737.44) 2931.03,3707.41 C32.2@2961,3707.41
NetC34_1: C34.1 R21.1 R26.2 | length 130.2
  Top Layer w10: C34.1@1887,1660.41 R26.2@1887,1594 R21.1@1950.82,1594
NetC34_2: C34.2 R15.2 R25.1 | length 125.8
  Top Layer w10: C34.2@1887,1711.59 1940.88,1711.59 ccw(c1940.88,1725.64) R15.2@1950.82,1715.7 R25.1@1950.82,1654.85